# KiCad board [DFR1142]Lite Carrier for LattePanda Mu.kicad_pcb (continued)
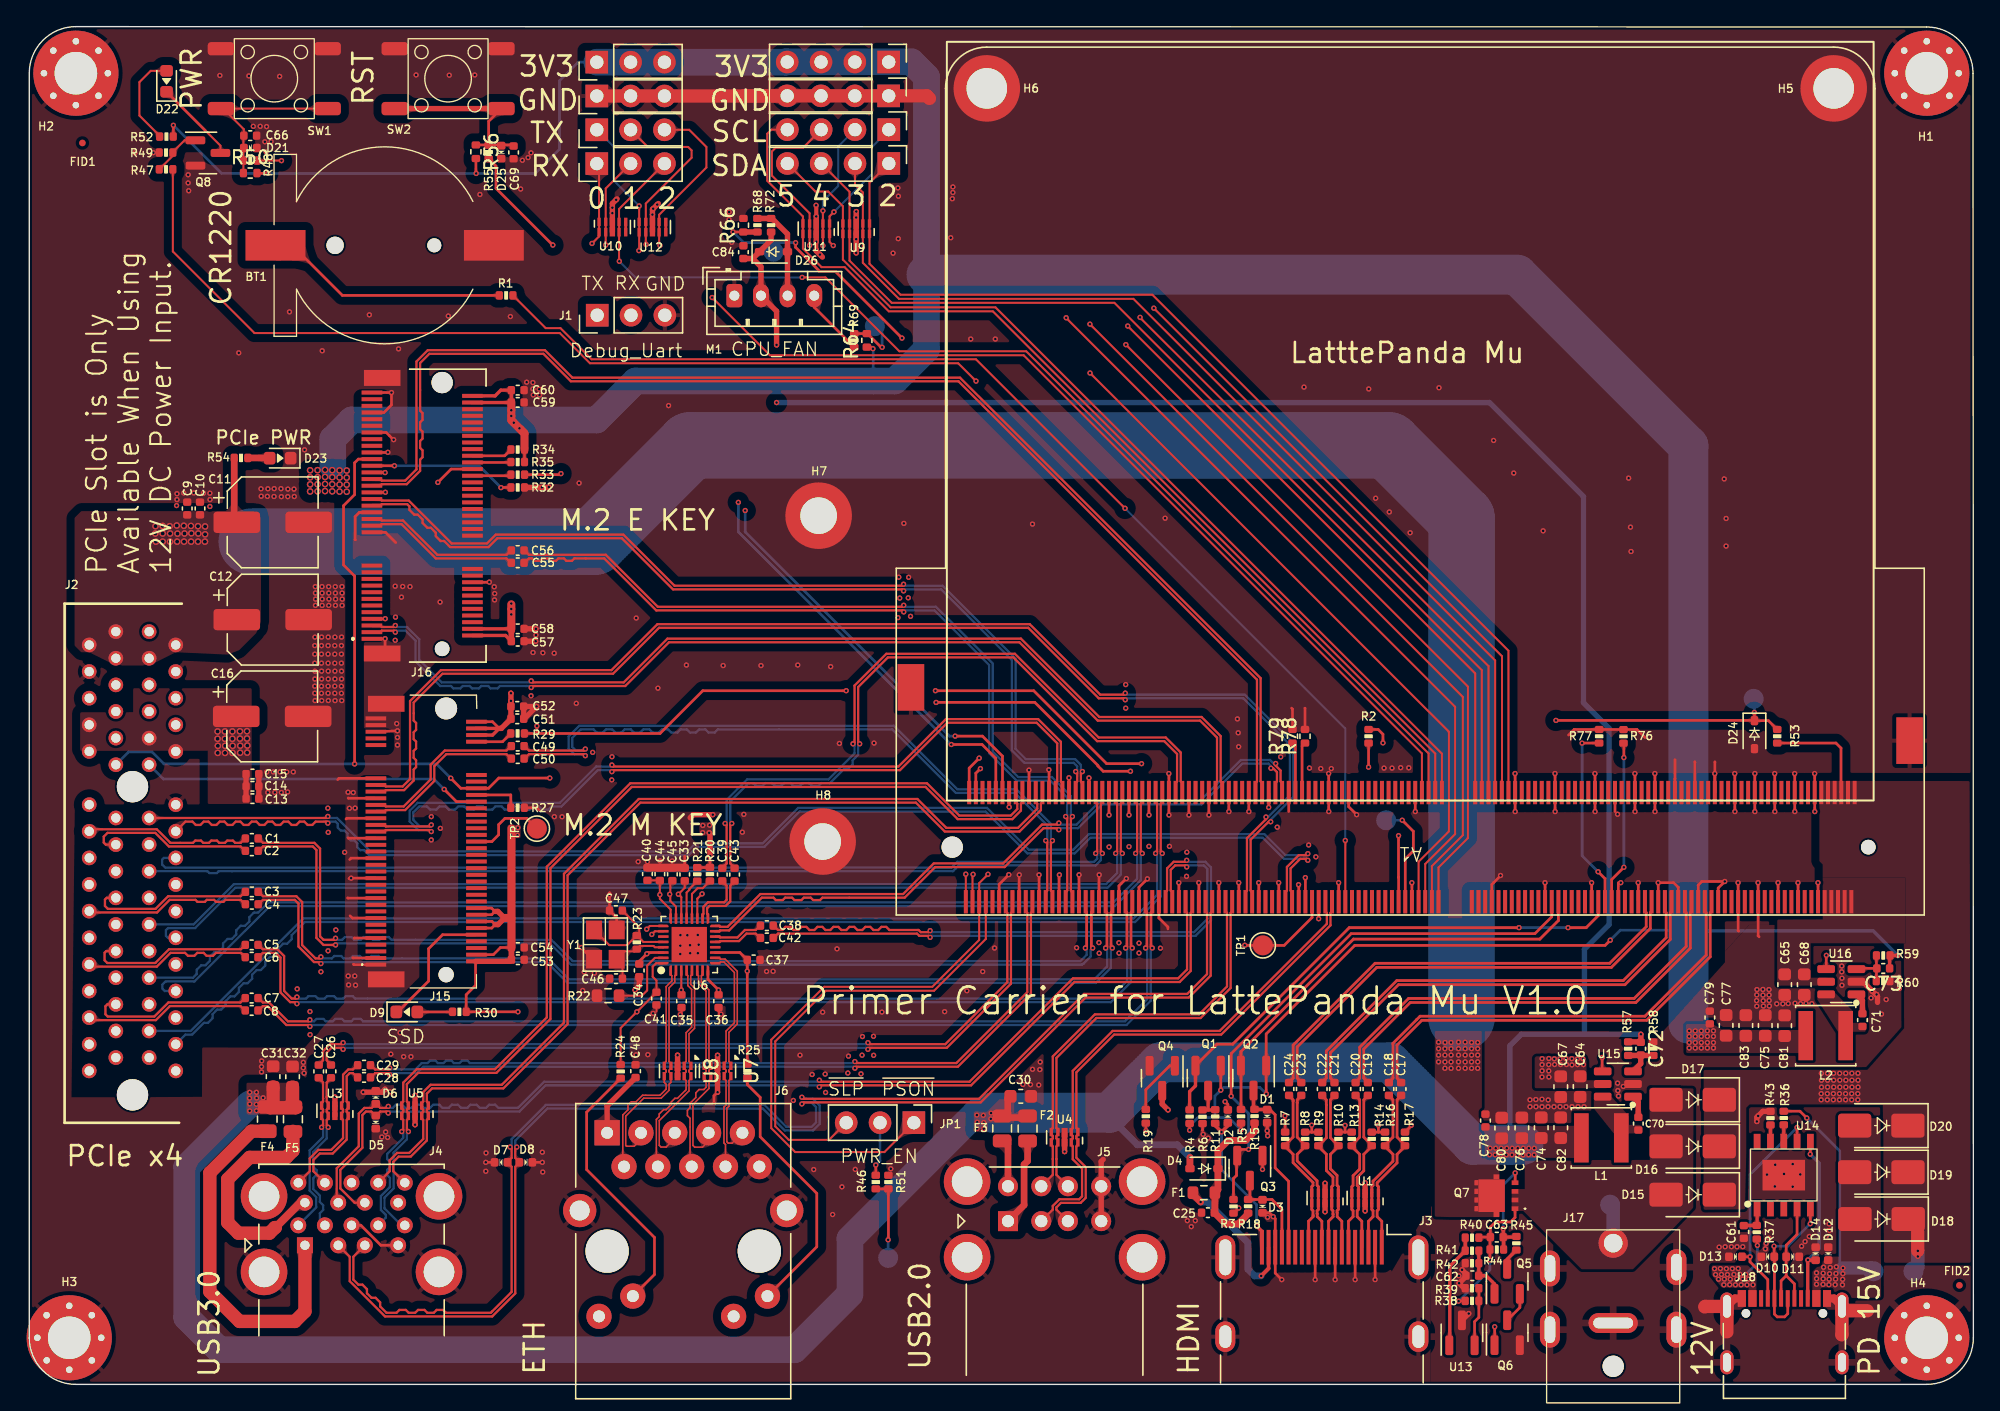
[diagram p0: board, top side]
## Routing (per net, layer and track width the routed paths; a pad name or vN(x,y) marks a point on that pad's centre or on a via; arc(x,y) is an arc through that point) (continued)
/PSU/PWR_C_D+: length 9.2
  Top w0.2: 131.94,8.16 132.56,7.55 J18.B6 ; 131.94,8.16 D11.2 131.94,10.45 132.76,11.27 U14.4 ; 131.94,8.16 131.56,7.78 J18.A6
/PSU/PWR_C_D-: length 12
  Top w0.2: J18.A7 132.06,5.31 131.82,5.07 131.27,5.07 131.06,5.28 J18.B7 131.06,9.57 D10.2 131.05,10.36 v1(131.03,10.38) ; v1(133.75,12.07) 133.76,12.08 U14.5
  Bottom w0.2: v1(133.75,12.07) 132.06,10.38 v1(131.03,10.38)
/PSU/PWR_EN: length 104.2
  Top w0.2: v1(134.96,32.23) 134.95,32.22 134.95,31.25 ; v1(64.5,10.86) 64.52,10.88 R51.2 R46.2 ; v1(110.05,4.33) 110.05,2.95 Q6.1 ; U15.4 118.12,23.56 v1(118.12,24.56)
  In2.PWR w0.2: v1(64.5,10.86) 64.5,7.25 66.14,5.61 105.1,5.61 106.38,4.33 v1(110.05,4.33) 112.08,6.36 112.08,11.24 118.12,17.28 v1(118.12,24.56) 118.12,25.66 124.69,32.23 v1(134.96,32.23)
  Bottom w0.2: v1(64.5,10.86) TP9.1
/USB2.0&USB3.0/CON_USB1_D_N: length 39.3
  Top w0.17: A1.109 97.33,35.53 97.45,35.42 97.45,34.6 89.4,26.55 81.36,26.55 78.36,23.56 78.36,19.26 78.25,19.14 U4.2 78.25,18.77 78.36,18.65 78.36,18.48 78.25,18.37 U4.9 78.25,17.99 78.36,17.88 78.36,16.91 79.06,16.21 79.06,14.13 78.84,13.91 77.36,13.91 76.86,13.41 76.86,13.13 J5.2
/USB2.0&USB3.0/CON_USB1_D_P: length 39.3
  Top w0.17: J5.3 77.14,13.13 77.14,13.29 77.48,13.63 78.96,13.63 79.34,14.01 79.34,16.33 78.64,17.03 78.64,17.88 78.75,17.99 U4.10 78.75,18.37 78.64,18.48 78.64,18.65 78.75,18.77 U4.1 78.75,19.14 78.64,19.26 78.64,23.44 81.47,26.28 89.51,26.28 97.72,34.49 97.72,35.42 97.83,35.53 A1.111
/USB2.0&USB3.0/CON_USB2_D_N: length 32
  Top w0.17: A1.79 89.83,35.53 89.95,35.42 89.95,29.89 87.85,27.8 80.02,27.8 76.86,24.64 76.86,19.26 76.75,19.14 U4.5 76.75,18.77 76.86,18.65 76.86,18.48 76.75,18.37 U4.6 76.75,17.99 76.86,17.88 76.86,15.75 J5.6
/USB2.0&USB3.0/CON_USB2_D_P: length 32
  Top w0.17: A1.81 90.33,35.53 90.22,35.42 90.22,29.78 87.97,27.52 80.14,27.52 77.14,24.52 77.14,19.26 77.25,19.14 U4.4 77.25,18.77 77.14,18.65 77.14,18.48 77.25,18.37 U4.7 77.25,17.99 77.14,17.88 77.14,15.75 J5.7
/USB2.0&USB3.0/CON_USB3_D_N: length 96.7
  Top w0.17: J4.2 24.06,9.59 24.06,7.75 26.71,5.1 34.77,5.1 36.5,6.83 36.5,16.35 36.81,16.65 D8.2 36.81,16.7 36.5,17.01 36.5,17.72 v1(36.61,17.83) ; A1.73 88.33,35.53 88.45,35.42 88.45,30.82 86.96,29.33 79.21,29.33 71.33,21.46 58.13,21.46 v1(58.02,21.57)
  Bottom w0.17: v1(36.61,17.83) 36.5,17.94 36.5,18.31 38.91,20.72 55.09,20.72 56.74,19.07 58.87,19.07 59.36,19.56 59.36,20.95 58.85,21.46 58.13,21.46 v1(58.02,21.57)
/USB2.0&USB3.0/CON_USB3_D_P: length 96.7
  Top w0.17: J4.3 24.34,9.59 24.34,7.87 24.71,7.49 25.02,7.49 25.36,7.15 25.36,6.84 25.7,6.5 26.01,6.5 26.35,6.16 26.35,5.85 26.83,5.38 27.58,5.38 27.79,5.59 28.28,5.59 28.49,5.38 28.98,5.38 29.19,5.59 29.68,5.59 29.89,5.38 30.38,5.38 30.59,5.59 31.08,5.59 31.29,5.38 34.65,5.38 36.22,6.95 36.22,16.35 35.92,16.65 D7.2 35.92,16.7 36.22,17.01 36.22,17.72 v1(36.11,17.83) ; A1.75 88.83,35.53 88.72,35.42 88.72,30.71 87.07,29.06 79.32,29.06 71.45,21.18 58.13,21.18 v1(58.02,21.07)
  Bottom w0.17: v1(58.02,21.07) 58.13,21.18 58.73,21.18 59.08,20.83 59.08,19.68 58.75,19.35 56.86,19.35 55.21,21 38.79,21 36.22,18.43 36.22,17.94 v1(36.11,17.83)
/USB2.0&USB3.0/CON_USB3_SSRX_N: length 77
  Top w0.17: A1.18 74.58,43.73 74.47,43.62 74.47,43.11 73.83,42.46 69.72,42.46 67.3,44.88 45.25,44.88 39.14,38.77 39.14,27.45 35.09,23.4 29.21,23.4 28.36,22.55 28.36,21.25 28.47,21.13 U5.4 28.47,20.76 28.36,20.64 28.36,20.47 28.47,20.36 U5.7 28.47,19.98 28.36,19.87 28.36,19.1 v1(28.47,18.99)
  Bottom w0.17: J4.5 27.95,11.95 26.68,13.22 26.68,14.03 27.36,14.71 27.36,17.41 28.36,18.41 28.36,18.88 v1(28.47,18.99)
/USB2.0&USB3.0/CON_USB3_SSRX_P: length 77
  Top w0.17: v1(27.97,18.99) 28.08,19.1 28.08,19.87 27.97,19.98 U5.6 27.97,20.36 28.08,20.47 28.08,20.64 27.97,20.76 U5.5 27.97,21.13 28.08,21.25 28.08,22.67 29.09,23.68 34.97,23.68 38.86,27.57 38.86,38.89 45.13,45.16 67.42,45.16 69.84,42.74 73.71,42.74 74.2,43.22 74.2,43.62 74.08,43.73 A1.16
  Bottom w0.17: J4.6 26.77,12.52 26.77,12.74 26.4,13.11 26.4,14.15 27.08,14.83 27.08,15.51 26.88,15.72 26.88,16.11 27.08,16.32 27.08,16.71 26.88,16.92 26.88,17.31 28.08,18.52 28.08,18.88 v1(27.97,18.99)
/USB2.0&USB3.0/CON_USB3_SSTX_N: length 12.7
  Top w0.17: v1(22.45,19.31) 22.34,19.42 22.34,19.87 22.45,19.98 U3.7 22.45,20.36 22.34,20.47 22.34,20.64 22.45,20.76 U3.4 22.45,21.13 22.34,21.25 22.34,21.58 22.33,21.58 22.33,22.68 22.66,23 C26.2
  Bottom w0.17: J4.8 21.82,12.33 21.82,12.85 22.07,13.1 22.07,13.45 21.82,13.7 21.82,14.18 21.33,14.68 21.33,15.49 21.58,15.74 21.58,16.09 21.33,16.34 21.33,17.46 22.34,18.47 22.34,19.2 v1(22.45,19.31)
/USB2.0&USB3.0/CON_USB3_SSTX_P: length 12.7
  Top w0.17: v1(21.95,19.31) 22.06,19.42 22.06,19.87 21.95,19.98 U3.6 21.95,20.36 22.06,20.47 22.06,20.64 21.95,20.76 U3.5 21.95,21.13 22.06,21.25 22.06,21.48 22.06,21.48 22.06,22.68 21.74,23 C27.2
  Bottom w0.17: J4.9 21.55,13.3 21.55,14.07 21.05,14.56 21.05,17.58 22.06,18.59 22.06,19.2 v1(21.95,19.31)
/USB2.0&USB3.0/CON_USB4_D_N: length 80.9
  Top w0.17: v1(26.96,20.88) 26.85,20.77 26.36,20.77 26.05,21.08 D6.2 25.71,20.77 25.17,20.77 24.74,20.35 24.74,17.89 23.09,16.23 23.09,13.76 J4.11 ; v1(59.33,22.85) 59.44,22.74 70.61,22.74 78.38,30.5 86.28,30.5 86.95,31.17 86.95,35.42 86.83,35.53 A1.67
  Bottom w0.17: v1(59.33,22.85) 59.22,22.74 38.66,22.74 36.7,20.77 35.23,20.77 35,21.01 34.53,21.01 34.3,20.77 33.83,20.77 33.6,21.01 33.13,21.01 32.9,20.77 32.43,20.77 32.2,21.01 31.73,21.01 31.5,20.77 31.03,20.77 30.8,21.01 30.33,21.01 30.1,20.77 29.63,20.77 29.4,21.01 28.93,21.01 28.7,20.77 28.23,20.77 28,21.01 27.53,21.01 27.3,20.77 27.07,20.77 v1(26.96,20.88)
/USB2.0&USB3.0/CON_USB4_D_P: length 80.9
  Top w0.17: J4.12 24.43,13.65 23.36,14.72 23.36,16.12 25.02,17.77 25.02,20.23 25.28,20.5 25.68,20.5 26,20.19 D5.2 26.05,20.19 26.36,20.5 26.85,20.5 v1(26.96,20.38) ; A1.69 87.33,35.53 87.22,35.42 87.22,31.06 86.39,30.23 78.49,30.23 70.73,22.46 59.44,22.46 v1(59.33,22.35)
  Bottom w0.17: v1(26.96,20.38) 27.07,20.5 36.81,20.5 38.78,22.46 59.22,22.46 v1(59.33,22.35)
/USB2.0&USB3.0/CON_USB4_SSRX_N: length 73.5
  Top w0.17: J4.14 27.34,16.01 27.34,16.71 27.74,17.11 28.65,17.11 29.86,18.32 29.86,19.87 29.97,19.98 U5.10 29.97,20.36 29.86,20.47 29.86,20.64 29.97,20.76 U5.1 29.97,21.13 29.86,21.25 29.86,21.84 30.25,22.23 35.6,22.23 40.43,27.06 40.43,38.24 45.89,43.7 66.58,43.7 68.75,41.53 74.37,41.53 75.97,43.14 75.97,43.62 76.08,43.73 A1.24
/USB2.0&USB3.0/CON_USB4_SSRX_P: length 73.5
  Top w0.17: A1.22 75.58,43.73 75.7,43.62 75.7,43.25 74.25,41.81 68.87,41.81 66.7,43.98 45.77,43.98 40.15,38.36 40.15,27.18 35.48,22.51 30.13,22.51 29.58,21.96 29.58,21.25 29.47,21.13 U5.2 29.47,20.76 29.58,20.64 29.58,20.47 29.47,20.36 U5.9 29.47,19.98 29.58,19.87 29.58,18.44 28.53,17.39 27.62,17.39 27.06,16.83 27.06,16.01 J4.15
/USB2.0&USB3.0/CON_USB4_SSTX_N: length 11.2
  Top w0.17: C28.2 24.63,23.06 24.31,23.38 24.07,23.38 23.84,23.15 23.84,21.25 23.95,21.13 U3.1 23.95,20.76 23.84,20.64 23.84,20.47 23.95,20.36 U3.10 23.95,19.98 23.84,19.87 23.84,18.39 22.79,17.34 21.82,17.34 21.34,16.86 21.34,16.01 J4.17
/USB2.0&USB3.0/CON_USB4_SSTX_P: length 11.7
  Top w0.17: J4.18 21.06,16.01 21.06,16.98 21.7,17.62 22.67,17.62 23.56,18.51 23.56,19.87 23.45,19.98 U3.9 23.45,20.36 23.56,20.47 23.56,20.64 23.45,20.76 U3.2 23.45,21.13 23.56,21.25 23.56,23.27 23.95,23.66 24.31,23.66 24.63,23.98 C29.2
/~{PLT_RST}: length 131.3
  Top w0.15: v1(50.53,36.85) 50.17,36.48 U6.19
  Top w0.2: 33.52,43.78 32.08,43.78 v1(31.16,44.7) ; v1(91.28,32.99) 91.29,32.98 TP1.1 94.24,32.98 96.33,35.07 A1.105 ; v1(30.68,67.76) 31.68,68.76 J16.52
  In2.PWR w0.15: v1(31.16,44.7) 35.44,40.42 51.74,40.42 51.83,40.33 51.83,37.87 51.45,37.49 50.87,37.49 50.53,37.15 v1(50.53,36.85) 87.42,36.85 v1(91.28,32.99)
  In2.PWR w0.2: v1(30.68,67.76) 29.45,66.53 29.45,46.41 v1(31.16,44.7)
  Bottom w0.2: J2.A11 10.07,45.48 30.38,45.48 v1(31.16,44.7)
/~{PWR_LED}/~{PSON}: length 169.8
  Top w0.15: R47.1 10.78,85.11 16.91,78.98 39.84,78.98 42.11,76.71 69.76,76.71 v1(71.1,75.37) ; JP1.1 64.22,17.45 57.52,17.45 55.72,19.25 55.72,25.89 59.7,29.87 67.82,29.87 71.33,33.38 A1.5 71.33,37.65 v1(72,38.32)
  Top w0.2: v1(83.86,19.05) 83.85,19.06 R19.1
  In2.PWR w0.15: v1(71.1,75.37) 72.13,74.34 72.13,38.44 v1(72,38.32)
  In2.PWR w0.2: v1(83.86,19.05) 83.2,18.39 67.7,18.39 JP1.1
/~{WAKE}: length 131.3
  Top w0.2: v1(39.09,45.55) 35.26,45.55 34.49,44.78 32.41,44.78 v1(31.65,45.54) ; J16.55 24.71,69.51 24.43,69.23 24.43,66.84 23.6,66.01 23.6,61.56 24.43,60.73 v1(24.43,46.61) ; v1(82.7,46.06) 80.65,46.06 80.25,46.46 80.25,46.5 75.51,51.24 68.11,51.24 v1(68.1,51.23) ; v1(95.83,38.07) 95.83,38.06 A1.103
  In2.PWR w0.2: v1(68.1,51.23) 67.24,50.37 39.82,50.37 39.24,49.79 39.24,45.7 v1(39.09,45.55) ; v1(82.7,46.06) 83.88,44.88 92.73,44.88 97.2,40.41 97.2,39.44 v1(95.83,38.07)
  Bottom w0.2: J2.B11 7.46,47.51 9.22,47.51 10.12,46.61 v1(24.43,46.61) 30.58,46.61 v1(31.65,45.54)
VDC: length 11.3
  Top w0.2: A1.256 136.06,44.48 136.06,47.8 135.68,48.18 R53.1
  Top w1: 141.82,11.42 141.82,10.04
  Bottom w1: v1(141.83,10.03) v1(141.83,9.61) 141.83,8.83 TP10.1
  vias: v1(113.61,24.47) v1(113.61,24.02) v1(113.61,23.56) v1(113.6,23.09) v1(114.12,24.48) v1(114.11,24.02) v1(114.11,23.55) v1(114.12,23.09) v1(114.53,24.46) v1(114.55,24.03) v1(114.96,24.46) v1(114.99,24.03) v1(115.4,24.46) v1(115.44,24.03) v1(115.84,24.47) v1(115.85,24) v1(116.27,24.45) v1(116.27,24.02) v1(116.68,24.46) v1(116.72,24.02) v1(134.58,23.37) v1(134.59,22.85) v1(134.59,22.33) v1(134.57,21.84) v1(134.57,21.38) v1(135.04,23.37) v1(135.03,21.84) v1(135.03,21.38) v1(135.05,22.85) v1(135.05,22.33) v1(135.5,23.37) v1(135.51,22.85) v1(135.51,22.33) v1(135.49,21.84) v1(135.49,21.38) v1(135.94,21.84) v1(135.94,21.38) v1(135.96,23.37) v1(135.97,22.85) v1(135.97,22.33) v1(136.42,23.37) v1(136.42,22.85) v1(136.42,22.33) v1(136.4,21.84) v1(136.4,21.38) v1(136.87,23.37) v1(136.88,22.85) v1(136.88,22.33) v1(136.86,21.84) v1(136.86,21.38) v1(137.33,23.37) v1(137.34,22.85) v1(137.34,22.33) v1(137.32,21.84) v1(137.32,21.38)
VPullup: length 34.1
  Top w0.2: D24.1 130.61,49.86 R53.2 ; D24.1 129.54,49.88 v1(114.65,49.88) ; D24.1 129.56,50.47 v1(129.55,50.48) ; v1(101.66,48.19) 101.66,48.84 101.3,49.2 R2.2
  In2.PWR w0.2: v1(101.66,48.19) 103.35,49.88 v1(114.65,49.88)
  Bottom w0.2: v1(129.55,50.48) 129.55,51.45 TP13.1
Net-(A1-SIO_UART_RX): length 48.9
  Top w0.2: A1.12 73.08,47.19 71.58,48.7 v1(69.53,48.7)
  In2.PWR w0.2: J1.2 45.19,78.27 53.76,69.7 v1(53.76,65.65)
  Bottom w0.2: v1(53.76,65.65) 53.76,64.04 69.1,48.7 v1(69.53,48.7)
Net-(A1-SIO_UART_TX): length 49.6
  Top w0.2: v1(69.24,48.07) 71.55,48.07 72.58,47.03 A1.10
  In2.PWR w0.2: v1(53.25,66.26) 53.25,69.72 J1.1
  Bottom w0.2: v1(53.25,66.26) 53.25,64.04 69.22,48.07 v1(69.24,48.07)
Net-(A1-TCP0_HPD): length 12.3
  Top w0.2: v1(119.75,47.09) 119.75,48.14 R76.1 ; v1(119.75,38.84) 118.83,37.93 A1.187
  Bottom w0.2: v1(119.75,38.84) v1(119.75,47.09)
Net-(A1-TCP1_HPD): length 13.9
  Top w0.2: R77.1 116.62,48.18 v1(116.62,48.17) ; A1.185 118.33,37.99 v1(117.82,38.51)
  Bottom w0.2: v1(117.82,38.51) 116.62,39.71 v1(116.62,48.17)
Net-(A1-~{BIOS_SEL}): length 14.9
  Top w0.2: v1(103.11,42.38) 103.94,41.55 103.94,40.08 103.33,39.47 A1.133 ; R2.1 v1(100.58,46.37) 100.53,46.32 100.51,46.32
  In2.PWR w0.2: v1(103.11,42.38) 100.58,44.91 v1(100.58,46.37)
  Bottom w0.2: v1(103.11,42.38) TP7.1
Net-(A1-~{CLKREQ3}): length 3.8
  Top w0.2: R79.1 95.08,47.96 A1.100
Net-(A1-~{CLKREQ4}): length 3.8
  Top w0.2: R78.1 95.58,47.96 A1.102
Net-(BT1-+): length 18.4
  Top w0.2: R1.2 23.51,81.81 19.75,85.57 BT1.1
Net-(D9-A): length 2.7
  Top w0.2: D9.2 31.78,27.98 R30.1
Net-(D9-K): length 9.8
  Top w0.2: 33.52,33.78 31.04,33.78 29.99,32.73 29.99,30.3 27.67,27.98 D9.1
Net-(D21-A2): length 13.7
  Top w0.15: SW1.1 SW1.1 14.56,95.84 16.11,94.29 C66.1 16.08,93.78 R50.1
Net-(D22-A): length 7.1
  Top w0.15: R52.1 9.79,93.8 8.27,95.32 8.27,97.83 9.12,98.68 D22.2
Net-(D22-K): length 6.3
  Top w0.15: Q8.3 14.36,93.06 13.22,94.19
  Top w0.2: D22.1 13.22,94.19
Net-(D23-A): length 1.7
  Top w0.5: R54.2 18.03,69.6 D23.2
Net-(D25-A2): length 14
  Top w0.2: C69.1 36.29,93.11 R56.1 ; R55.1 34.5,94.89 SW2.1
  Top w0.4: SW2.1 SW2.1
Net-(D26-A): length 7.4
  Top w0.4: R68.1 R72.2 55.77,87.59 56.94,86.42 D26.2 56.94,81.8 M1.3
Net-(J3-+5V): length 11.3
  Top w0.254: J3.18 93.07,8.71
  Top w0.3: 93.07,8.71 v1(92.51,8.15)
  Top w0.508: F1.2 87.39,14.27 v1(87.96,13.7)
  Bottom w0.508: v1(92.51,8.15) 92.01,8.15 91.51,8.65 91.51,10.65 88.46,13.7 v1(87.96,13.7)
Net-(J4A-VBUS1): length 27.9
  Top w1: J4.1 20.7,5.48 19.95,4.73 15.79,4.73 13.56,6.96 13.56,15.9 16.68,19.02 F4.2
Net-(J4B-VBUS2): length 17.6
  Top w0.4: J4.10 20.35,13.65
  Top w0.6: 20.35,13.65 18.48,11.78
  Top w1: 18.48,11.78 18.45,11.78 18.03,11.36 15.7,11.36 14.9,12.16 14.9,15.41 16.54,17.05 19.3,17.05 19.8,17.55 19.8,19.01
Net-(J5-VBUS1): length 6.7
  Top w0.5: J5.1 74.71,13.47 74.71,16.52 74.97,16.78 74.97,18.39
Net-(J5-VBUS2): length 3.5
  Top w0.5: J5.5 73.5,18.39
Net-(J6-CT): length 5
  Top w0.4: C48.1 43.4,20.91 J6.R1
Net-(J6-PadL1): length 20.1
  Top w0.2: J6.L1 59.14,10.33 59.14,14.35 54.89,18.6 54.89,21.56 53.93,22.52 R25.1
Net-(J6-PadL3): length 20.2
  Top w0.2: J6.L3 46.95,8.25 46.95,11.04 41.86,16.13 41.86,20.45 R24.1
Net-(J15-DEVSLP): length 6.1
  Top w0.2: 33.52,40.78 34.74,40.78 35.25,41.29 35.25,42.05 35.72,42.52 37.35,42.52 TP2.1
Net-(J15-SUSCLK): length 2.9
  Top w0.2: 33.52,48.28 35.54,48.28 R29.1
Net-(J16-SUSCLK): length 2.9
  Top w0.2: J16.50 36.09,68.26 R33.1
Net-(J16-~{W_DISABLE1}): length 3.1
  Top w0.2: R34.1 35.7,69.76 J16.56
Net-(J16-~{W_DISABLE2}): length 2.9
  Top w0.2: R35.2 36.14,69.26 J16.54
Net-(JP1-C): length 4.1
  Top w0.2: R46.1 v1(63.57,16.48)
  Bottom w0.2: v1(63.57,16.48) 63.89,16.8 JP1.2
Net-(M1-PWM): length 5.1
  Top w0.2: R69.2 58.95,80.92 M1.4
Net-(Q1-D): length 2.4
  Top w0.25: 88.53,20.62 89.04,20.62 R11.1 ; 88.53,20.62 Q1.3 ; 88.53,20.62 R6.1
Net-(Q4-D): length 26.9
  Top w0.205: R17.2 103.79,19.42 v1(103.79,19.47) ; 101.32,18.95 R16.2 ; 101.32,18.95 101.32,19.46 v1(101.31,19.46) ; 101.32,18.95 R14.2 ; v1(94.3,20.17) 94.31,20.16 R7.2 ; 96.31,18.95 96.31,19.47 v1(96.31,19.47) ; 96.31,18.95 R8.2 ; 96.31,18.95 R9.2 ; R10.2 98.81,18.95 ; 98.81,18.95 R13.2 ; 98.81,18.95 98.81,19.45 v1(98.82,19.46)
  Top w0.4: Q4.3 85.08,21.06 v1(85.52,20.62)
  In2.PWR w0.2: 101.3,19.47 v1(101.31,19.46) ; 103.78,19.46 v1(103.79,19.47) ; 94.29,20.18 v1(94.3,20.17)
  In2.PWR w0.4: v1(94.3,20.17) 95.61,20.17 v1(96.31,19.47) 101.3,19.47 ; v1(101.31,19.46) 103.78,19.46 ; 94.29,20.18 88.13,20.18 87.69,20.62 v1(85.52,20.62)
Net-(Q4-G): length 4.4
  Top w0.2: Q4.1 85.65,23.94 83.85,22.14 R19.2
Net-(Q5-D): length 1.7
  Top w0.254: R45.1 110.99,9.4 Q5.3
Net-(Q5-G): length 4.1
  Top w0.254: Q5.1 110.04,7.54 109.42,8.16 C62.1 108.86,8.17 R41.1
Net-(Q5-S): length 2.4
  Top w0.2: Q5.2 111.94,5.77 Q6.3
Net-(Q7-G): length 7.9
  Top w0.2: v1(111.59,15.89) 111.59,15.16 Q7.4
  Top w0.254: C63.1 111.63,11.06 R45.2 ; C63.1 110.72,11.03 R44.1 ; C63.1 110.69,11.7 v1(110.69,11.7)
  Bottom w0.2: v1(111.59,15.89) 110.69,14.99 v1(110.69,11.7)
Net-(Q8-G): length 3.8
  Top w0.15: R47.2 10.78,92.3 R49.2 10.78,92.58 11.66,93.46 Q8.1
Net-(U6-CKXTAL1): length 8.6
  Top w0.15: 45.81,33.55 45.45,33.55 44.9,33 43.56,33 Y1.1 ; 45.81,33.55 46.12,33.24 46.68,33.24 46.68,33.24 47.03,33.24 47.04,33.24 U6.28 ; 45.81,33.55 45.81,34.33 C47.2
Net-(U6-CKXTAL2): length 5.8
  Top w0.15: 45.75,32.83 45.45,32.53 44.7,32.53 Y1.3 44.55,31.51 C46.2 ; 47.61,32.83 U6.29 47.61,32.84 46.98,32.84 46.88,32.94 45.86,32.94 R23.1
Net-(U6-ISOLATEB): length 3.6
  Top w0.15: R20.2 50.57,37.27 50.19,37.27 49.77,36.85 U6.20
Net-(U6-LANWAKEB): length 3.2
  Top w0.15: R21.2 49.58,37.22 49.58,37.16 49.37,36.95 U6.21
Net-(U6-RSET): length 5.6
  Top w0.15: U6.31 46.98,32.04 46.4,31.46 46.4,29.59 46.01,29.2 R22.2
Net-(U10-NC-Pad6): length 0.8
  Top w0.2: U10.6 U10.5
Net-(U12-NC-Pad6): length 0.8
  Top w0.2: U12.6 U12.5
Net-(U13-K): length 8.6
  Top w0.254: R40.1 R41.2 106.68,8.88 106.68,2.97 U13.1
Net-(U13-REF): length 4.4
  Top w0.2: U13.2 108.54,4.71 108.86,5.03 R38.1 R39.2
Net-(U14-CFG1): length 1.2
  Top w0.25: R43.1 U14.9
Net-(U14-VBUS): length 1.2
  Top w0.25: U14.8 R36.2
Net-(U14-VDD): length 2.2
  Top w0.25: U14.1 129.76,11.97 R37.2 128.81,11.94
Net-(U15-BOOST): length 1.5
  Top w0.4: U15.1 120.83,21.22 120.83,20.26
Net-(U15-FB): length 3.3
  Top w0.4: C72.2 121.02,24.1 U15.3 ; R57.1 R58.2
Net-(U16-BOOST): length 1.6
  Top w0.4: U16.1 137.67,28.85 C71.2
Net-(U16-FB): length 3.4
  Top w0.2: R59.1 138.72,30.31 R60.2 ; C73.2 138.75,31.25 137.23,31.25

## Copper pours and planes (outline as drawn; the poured copper is in the pictures)
+3V3 on Top: 133.37,26.62 127.17,26.63 126.4,27.08 124.42,27.07 124.43,24.89 133.35,24.89 133.36,24.88 133.37,24.89
+3V3 on Top: 16.7,43.6 16.7,52.3 7.8,52.3 7.8,50.5 3.82,50.49 3.82,47.59 12,47.6 13.4,47.6 13.4,43.6
+3V3 on Top, In2.PWR: 36.91,42.04 36.91,41.04 35.91,41.04 35.91,42.04
+3V3 on Top, In2.PWR: 51.31,42.23 51.31,41.23 50.31,41.23 50.31,42.23
+3V3 on Bottom: 126.88,26.69 126,27.48 123.13,27.49 123.13,24.96 126.89,24.96
+3V3 on Bottom, In2.PWR: 20.83,68.96 24.11,68.96 24.11,66.82 20.83,66.82
+3V3 on In2.PWR: 13.93,47.26 3.82,47.24 3.83,50.43 18.05,50.43 18.03,68.94 24.11,68.96 24.11,66.82 21,66.89 20.93,47.32
+5V on Top: 20.16,22.66 16.31,22.66 16.31,20.27 16.32,20.27 20,20.27 20.16,20.43
+5V on Top: 109.43,19.41 116.72,19.43 116.78,17.46 116.72,17.01 109.2,17.03 109.2,19.16
+5V on Top, Bottom: 71.93,20.48 70.92,20.51 70.91,18.96 71.98,18.95 71.98,19.64 73.98,19.64 73.98,21.43 72.88,21.43
+5V on Bottom: 109.47,18.6 113.23,18.6 113.23,17.45 113.22,17.45 109.61,17.45 109.45,17.61 109.45,18.51
+12V on Top: 111.33,14.67 112.31,14.67 112.31,16.85 121.7,16.86 121.67,22.28 124.98,22.23 124.96,13.27 121.91,10.12 120.44,8.65 116.57,8.65 112.2,13.02 111.33,13.02
+12VA on Top: 109.09,26.55 105.56,26.55 105.55,12.6 106.63,12.57 110.43,12.57 110.39,16.98 109.09,16.98
+12VA on Top, Bottom: 6.5,54 9,54 11,55 15.4,54.8 17.4,56.8 17.4,65.6 3.4,65.6 3.4,55 4.5,55
+12VA on Bottom: 105.55,23.52 109.11,23.52 109.11,26.07 105.56,26.07 105.55,26.06
+15V on Top: 129.71,6.45 129.71,8.43 129.2,8.94 126.35,8.94 126.35,8.23 127.1,7.28 129.12,7.26 129.12,6.45
+15V on Top: 133.91,6.45 133.91,8.46 135.05,9.6 135.91,9.6 135.91,20.02 139.03,19.99 139.07,6.52
+15V on Bottom: 127.08,7.27 136.44,7.27 136.44,8.95 126.35,8.95 126.35,8
GND on Top, Bottom: 146.07,35.77 122.26,35.79 122.22,26.52 104.15,26.55 103.93,0.07 145.99,0.01
GND on Top, Bottom: 0.06,-0.03 105.23,0.01 105.31,26.92 122.29,26.97 129.16,34.52 146,34.47 145.99,102 0,102
GND on In1.GND, In2.PWR: 0.01,0.01 145.95,0.04 145.94,102.04 -0.05,102.04
VDC on Top: 135.04,29.96 131.26,29.95 131.27,34.92 134.69,34.93 134.69,38.07 140.9,38.07 140.9,33.13 133.78,33.14 133.77,30.55 135.06,30.55
VDC on Top: 145.8,9.14 139.29,9.14 139.2,21.03 129.19,21.03 128.94,20.78 128.94,17.26 128.85,13.15 125.74,13.12 125.74,15.62 125.76,19.79 125.74,23.62 138.04,23.63 140.8,26.75 140.78,33.11 134.69,35.38 134.69,39.05 134.44,39.3 134.44,45.33 145.72,45.32
VDC on Top: 118.51,22.25 113.05,22.25 113.05,24.53 113.17,24.64 116.63,24.64 116.95,24.32 116.95,22.86 116.96,22.85 118.51,22.85
VDC on Bottom: 121.64,25.78 122.46,24.73 137.69,24.7 137.69,21.04 121.6,21.04 119.81,23.06 113.43,23.04 113.43,25.8
Net-(U15-SW) on Top: 121.03,19.49 120.1,19.49 120.09,20.2 118.83,21.61 117.5,21.61 117.5,20.72 118.99,18.85 121.03,18.85
Net-(U16-SW) on Top: 133.59,27.43 131.4,27.43 131.4,29.57 131.56,29.73 132.68,29.73 133.46,28.95 133.46,28.29 133.59,28.16
Net-(U16-SW) on Top: 136.96,28.04 136.96,27.16 137.92,27.15 137.92,26.49 135.84,26.48 134.28,28.91 134.28,29.4 135.61,29.42

Small or netless copper shapes (teardrops, artwork), in the pictures only: 950 on Top, 162 on Bottom, 2 on In1.GND, 69 on In2.PWR

## Text on the board
B.Silkscreen: 100
F.Silkscreen: SSD | Debug_Uart | TX | RX | GND | CPU_FAN | ~{SLP} | PWR_EN | ~{PSON} | PCIe PWR | PCIe Slot is Only / Available When Using / 12V DC Power Input. | PCIe x4 | 3V3 | M.2 E KEY | M.2 M KEY | 0 | 1 | 2 | SDA | SCL | 5 | 4 | 3 | LatttePanda Mu | PWR | USB3.0 | CR1220 | RST | ETH | USB2.0 | HDMI | 12V | PD 15V | Primer Carrier for LattePanda Mu V1.0
F.Inf: PCB INF: DFR1142 V1.0.0 1.6mm 20240313 HDJ-CD / Top SolderMask:Black  Bottom SolderMask:Black / Top Silkscreen:White   Bottom Silkscreen:White
B.Inf: PCB INF: DFR1142 V1.0.0 1.6mm 20240313 HDJ-CD / Top SolderMask:Black  Bottom SolderMask:Black / Top Silkscreen:White   Bottom Silkscreen:White
F.Testpoint: PLT_RST
B.Testpoint: FAN_TAC | PWR_EN | FAN_PWM | BIOSSEL | 5V | 12VA | 12V | 3V3 | VPULL | 15V | VDC
